# Altium PCB DT35_ACQ_F3_V1.2.PcbDoc (part 2 of 2)
Units mm, origin at the board's own origin, x right, y up, seen from the top; angles counter-clockwise.
Board outline 42.48 x 58.41 mm, 4 copper layers (Top Layer, Int1 (GND), Int2 (PWR), Bottom Layer), stack 1.369 mm thick; 122 components, 92 nets, 386 pads, 182 vias.
Unrouted connection lines stored in the file: 3.
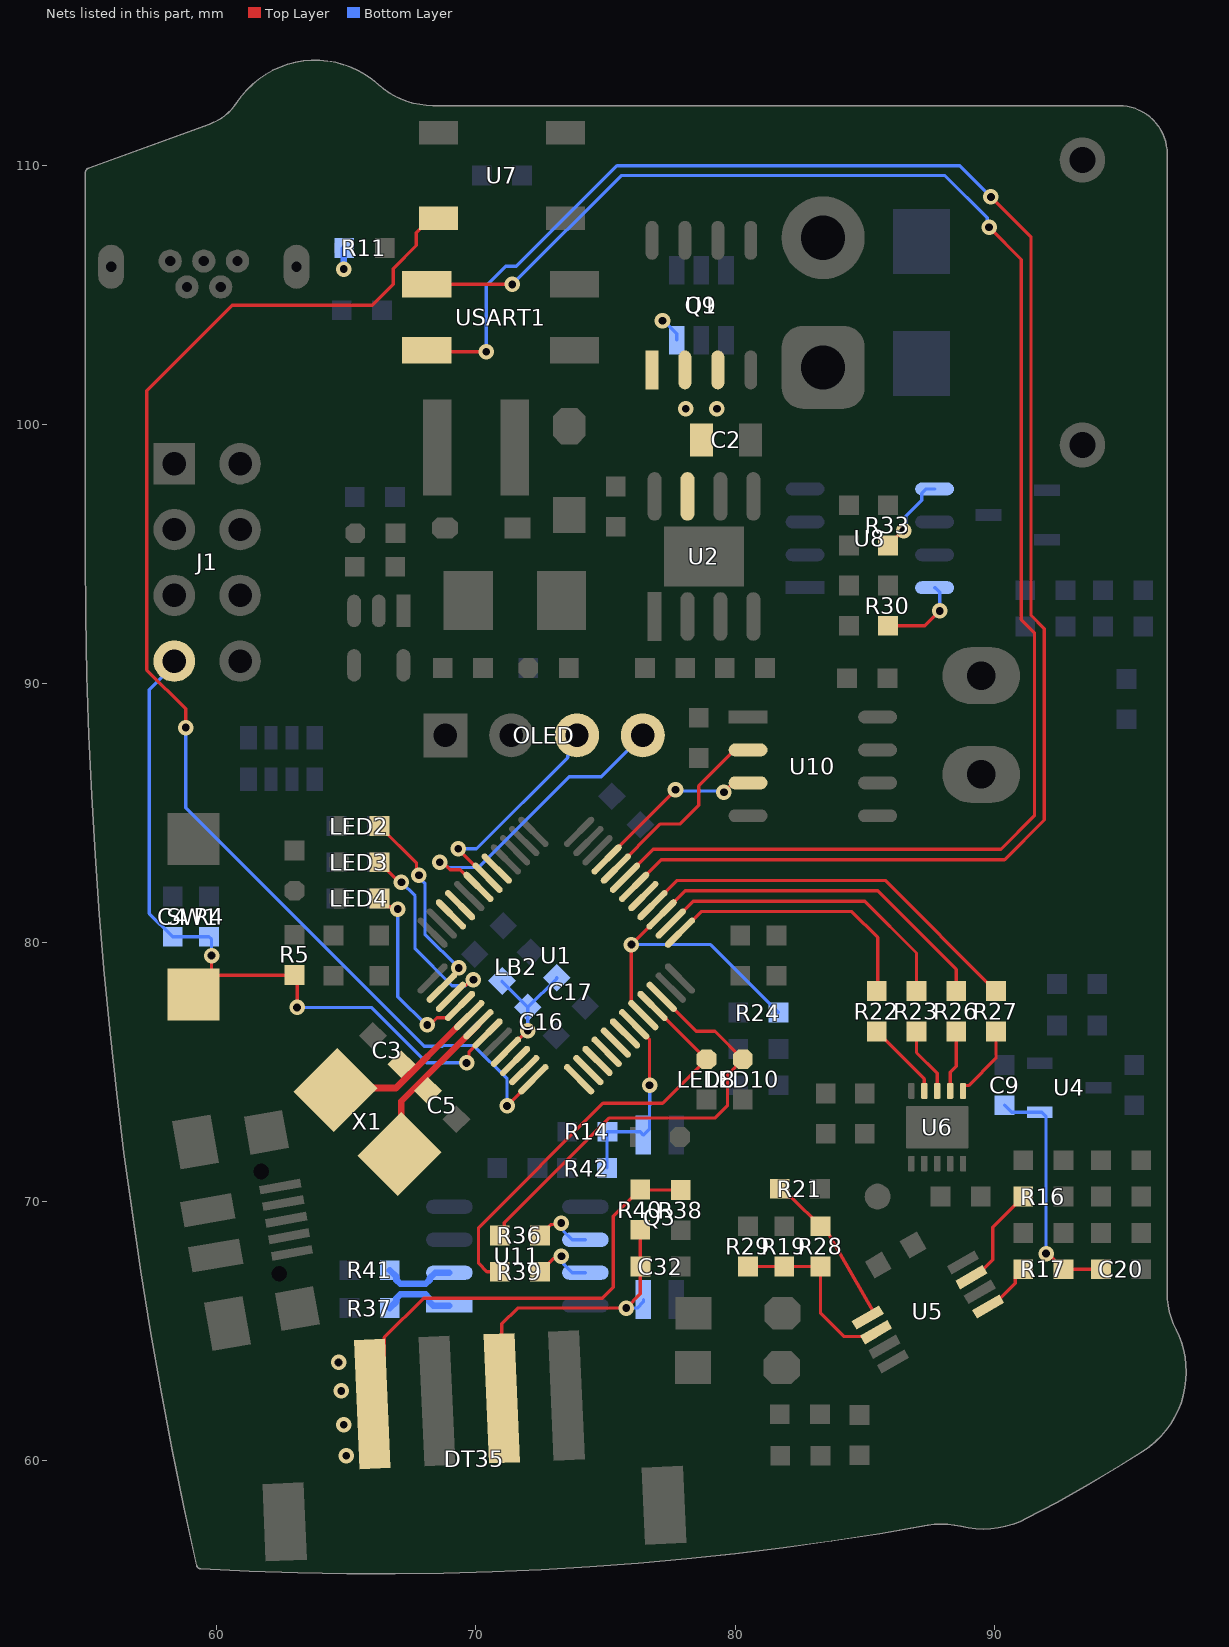
[diagram p4: the nets of this part, all layers, seen from the top]

## Via types
v1: diameter 0.6, hole 0.3, Top Layer to Bottom Layer, tented both sides, 182 vias

## Nets (pads, with @x,y where several pads share a name; then routed paths per layer and width w, separated by ;. In a path a pad name is that pad's centre, name@x,y a point inside that pad or via, vN(x,y) a via of type N, cw(c..) or ccw(c..) an arc to the next point about the centre after c; other vN are vias at no path point) (continued)
NetR16_1: R16.1 U5.7 | length 4
  Top Layer w0.127: U5.7@89.117,67.089 89.27,67.089 89.946,67.765 89.946,69.023 R16.1@91.123,70.2
NetR17_2: R17.2 U5.5 | length 2.1
  Top Layer w0.127: U5.5@89.767,65.963 89.92,65.963 90.805,66.849 90.805,67.083 R17.2@91.123,67.4
NetR19_1: R19.1 R28.2 R29.2 U5.2 | length 7.4
  Top Layer w0.127: R29.2@80.5,67.5 R19.1@81.9,67.5 R28.2@83.3,67.5 83.3,65.7 84.198,64.802 85.277,64.802 U5.2@85.443,64.968 85.404,64.809 cw(c85.3,64.883) U5.2@85.384,64.787
NetR21_2: R21.2 R28.1 U5.1 | length 6.4
  Top Layer w0.127: R21.2@81.723,70.5 82.04,70.183 82.172,70.183 R28.1@83.3,69.054 83.618,68.737 85.317,65.793 U5.1@85.118,65.531
NetR22_2: R22.2 U6.9 | length 3.1
  Top Layer w0.127: R22.2@85.467,76.575 87.3,74.742 U6.9@87.3,74.275
NetR23_2: R23.2 U6.8 | length 2.6
  Top Layer w0.127: R23.2@87,76.575 87,75.756 87.8,74.956 U6.8@87.8,74.275
NetR26_2: R26.2 U6.7 | length 2.4
  Top Layer w0.127: U6.7@88.3,74.275 88.3,75 88.533,75.233 R26.2@88.533,76.575
NetR27_2: R27.2 U6.6 | length 2.9
  Top Layer w0.127: U6.6@88.8,74.275 88.8,74.427 88.856,74.484 89.009,74.484 90.067,75.542 R27.2@90.067,76.575
NetR30_1: R30.1 U8.8 | length 3.2
  Top Layer w0.127: R30.1@85.9,92.223 87.323,92.223 v1(87.9,92.8)
  Bottom Layer w0.127: U8.8@87.7,93.695 87.728,93.695 87.9,93.523 v1(87.9,92.8)
NetR33_2: R33.2 U8.5 | length 3.1
  Top Layer w0.127: R33.2@85.9,95.323 86.477,95.9 v1(86.5,95.9)
  Bottom Layer w0.127: v1(86.5,95.9) 86.588,95.988 86.588,96.454 87.198,97.064 87.198,97.333 87.371,97.505 U8.5@87.7,97.505
NetR36_2: R36.2 U11.6 | length 2.3
  Top Layer w0.127: R36.2@72.477,68.7 72.901,69.124 73.236,69.124 v1(73.288,69.176)
  Bottom Layer w0.127: v1(73.288,69.176) 73.379,69.086 73.379,68.871 73.714,68.535 U11.6@74.225,68.535
NetR39_2: R39.2 U11.7 | length 2.4
  Top Layer w0.127: R39.2@72.477,67.3 72.986,67.809 73.209,67.809 v1(73.3,67.9)
  Bottom Layer w0.127: v1(73.3,67.9) 73.391,67.809 73.391,67.589 73.714,67.265 U11.7@74.225,67.265
NRST: C4.2 J1.7 R4.1 R5.1 SW1.1 U1.7 | length 28.8
  Top Layer w0.127: SW1.1@59.1,78 SW1.1@59.8,78.7 ; v1(59.8,79.5) SW1.1@59.8,78.7 ; v1(63.1,77.5) 63.1,78.646 R5.1@63,78.746 59.846,78.746 SW1.1@59.8,78.7 ; v1(69.641,75.359) 69.731,75.45 69.731,75.778 U1.7@70.449,76.495
  Bottom Layer w0.127: J1.7@58.36,90.86 58.36,90.722 57.4,89.762 57.4,81.123 C4.2@58.3,80.223 R4.1@59.7,80.223 59.8,80.123 v1(59.8,79.5) ; v1(63.1,77.5) 65.961,77.5 68.102,75.359 v1(69.641,75.359)
PA0: U1.10
PA1: U1.11
PA2-TIM2_CH3: U1.12 U7.4 | length 50.6
  Top Layer w0.127: v1(58.8,88.3) 58.8,89.019 57.3,90.519 57.3,101.3 60.6,104.6 66,104.6 66.804,105.404 66.804,106.004 67.7,106.9 67.7,107.4 68.25,107.95 U7.4@68.55,107.95 ; v1(71.2,73.7) 71.2,73.705 72.216,74.722 U1.12@72.216,74.727
  Bottom Layer w0.127: v1(58.8,88.3) 58.8,85.2 68,76 68.7,76 68.728,76.028 69.918,76.028 71.2,74.745 v1(71.2,73.7)
PA3: U1.13
PA4: U1.14
PA5: U1.15
PA6: U1.16
PA7: U1.17
PA8: U1.29
PA9-USART1_TX: U1.30 USART1.1 | length 68.6
  Top Layer w0.127: USART1.1@68.1,102.86 68.16,102.8 v1(70.4,102.8) ; U1.30@76.105,82.151 77.154,83.2 90.4,83.2 91.932,84.732 91.932,92.112 91.421,92.623 91.421,107.224 v1(89.873,108.773)
  Bottom Layer w0.127: v1(70.4,102.8) 70.4,105.345 71.155,106.1 71.561,106.1 75.442,109.981 88.664,109.981 v1(89.873,108.773)
PA10-USART1_RX: U1.31 USART1.3 | length 64.7
  Top Layer w0.127: USART1.3@68.1,105.4 v1(71.4,105.4) ; U1.31@75.751,82.505 76.846,83.6 90.261,83.6 91.551,84.89 91.551,91.955 91.04,92.465 91.04,106.36 v1(89.8,107.6)
  Bottom Layer w0.127: v1(71.4,105.4) 75.6,109.6 88.1,109.6 89.73,107.97 89.73,107.67 v1(89.8,107.6)
PA11-CAN_RX: U1.32 U10.2 | length 7.4
  Top Layer w0.127: U1.32@75.398,82.858 77.121,84.581 77.881,84.581 78.599,85.299 78.599,86.047 79.987,87.435 U10.2@80.5,87.435
PA12-CAN_TX: U1.33 U10.3 | length 6.8
  Top Layer w0.127: U1.33@75.044,83.212 75.044,83.228 77.7,85.884 v1(77.7,85.9) ; v1(79.568,85.8) 79.932,86.165 U10.3@80.5,86.165
  Bottom Layer w0.127: v1(77.7,85.9) 77.75,85.85 79.518,85.85 v1(79.568,85.8)
PB0: U1.18
PB1-Q1: Q3.3 R14.1 R42.1 U1.19 | length 7.5
  Top Layer w0.127: U1.19@76.105,76.849 76.7,76.253 v1(76.7,74.5)
  Bottom Layer w0.127: R42.1@75.054,71.3 75.054,72.677 R14.1@75.077,72.7 76.34,72.7 Q3.3@76.465,72.575 76.702,72.812 76.702,73.722 76.709,73.73 76.709,74.491 v1(76.7,74.5)
PB2-IRQ: R24.1 R26.1 U1.20 U1.27 | length 25.2
  Top Layer w0.127: U1.20@76.458,77.202 75.999,77.662 v1(75.999,79.924) U1.27@77.166,81.091 78.075,82 85.5,82 88.533,78.967 R26.1@88.533,78.129
  Bottom Layer w0.127: v1(75.999,79.924) 79.053,79.924 R24.1@81.677,77.3
PB5: U1.41
PB6-I2C1_SCL: OLED.3 U1.42 | length 8.3
  Top Layer w0.127: v1(69.317,83.622) 69.317,83.609 70.422,82.505 U1.42@70.449,82.505
  Bottom Layer w0.127: v1(69.317,83.622) 70.022,83.622 73.541,87.141 73.541,87.216 73.9,87.574 OLED.3@73.9,88
PB7-I2C1_SDA: OLED.4 U1.43 | length 11.9
  Top Layer w0.127: v1(68.6,83.1) 68.724,83.1 69.009,82.815 69.398,82.815 70.062,82.151 U1.43@70.095,82.151
  Bottom Layer w0.127: v1(68.6,83.1) 68.711,83.1 68.911,82.9 70.1,82.9 73.6,86.4 74.84,86.4 OLED.4@76.44,88
PB8: U1.45
PB9: U1.46
PB10-USART3_TX: LED8.2 R39.1 U1.21 | length 16.8
  Top Layer w0.127: R39.1@70.923,67.3 70.922,67.301 70.426,67.301 70.1,67.627 70.1,69 74.9,73.8 77.2,73.8 LED8.2@78.9,75.5 78.884,75.5 76.828,77.556 U1.21@76.812,77.556
PB11-USART3_RX: LED10.2 R36.1 U1.22 | length 17.2
  Top Layer w0.127: R36.1@70.923,68.7 71.097,68.874 71.097,69.197 75.132,73.232 79.217,73.232 79.71,73.724 79.71,74.91 LED10.2@80.3,75.5 79.225,76.575 78.5,76.575 U1.22@77.166,77.909
PB12-DIN: R22.1 U1.25 | length 10.5
  Top Layer w0.127: U1.25@77.873,80.384 78.689,81.2 84.5,81.2 85.5,80.2 85.5,78.162 R22.1@85.467,78.129
PB13-SPI2_SCK: R23.1 U1.26 | length 12.1
  Top Layer w0.127: U1.26@77.519,80.737 78.382,81.6 85,81.6 87,79.6 R23.1@87,78.129
PB15-TIM15_CH2: R27.1 U1.28 | length 15.4
  Top Layer w0.127: U1.28@76.812,81.444 77.768,82.4 85.796,82.4 R27.1@90.067,78.129
PC13-LED1: LED2.1 U1.2 | length 7.8
  Top Layer w0.127: LED2.1@66.277,84.5 67.71,83.067 67.71,82.691 v1(67.8,82.6) ; U1.2@68.681,78.263 68.681,78.296 69.336,78.952 v1(69.336,79.022)
  Bottom Layer w0.127: v1(67.8,82.6) 67.8,82.523 68.034,82.289 68.034,80.325 v1(69.336,79.022)
PC14-LED2: LED3.1 U1.3 | length 8
  Top Layer w0.127: LED3.1@66.277,83.1 67.047,82.33 v1(67.125,82.33) ; U1.3@69.034,77.909 69.479,78.354 69.613,78.354 69.824,78.565 v1(69.901,78.565)
  Bottom Layer w0.127: v1(67.125,82.33) 67.653,81.802 67.653,79.761 69.077,78.337 69.596,78.337 69.824,78.565 v1(69.901,78.565)
PC15-LED3: LED4.1 U1.4 | length 7.4
  Top Layer w0.127: LED4.1@66.277,81.7 66.595,81.382 66.897,81.382 v1(66.984,81.295) ; v1(68.123,76.823) 68.224,76.823 68.498,77.096 68.928,77.096 U1.4@69.388,77.556
  Bottom Layer w0.127: v1(66.984,81.295) 66.984,77.916 68.077,76.823 v1(68.123,76.823)
PF0-OSC_IN: C3.2 U1.5 X1.2 | length 5.9
  Top Layer w0.254: X1.2@64.576,74.318 64.647,74.389 66.917,74.389 U1.5@69.414,76.886
PF1-OSC_OUT: C5.2 U1.6 X1.1 | length 6.3
  Top Layer w0.254: X1.1@67.051,71.843 67.122,71.914 67.122,73.876 U1.6@70.095,76.849
Q1: C32.2 DT35.2 Q3.2 R40.2 | length 12
  Top Layer w0.127: DT35.2@70.995,62.418 70.995,65.29 71.605,65.9 v1(75.8,65.9) 76.346,66.446 C32.2@76.346,67.5 76.34,67.506 R40.2@76.34,68.923
  Bottom Layer w0.127: v1(75.8,65.9) 76.229,65.9 76.465,66.136 Q3.2@76.465,66.225
UD_N: R41.2 U11.2 | length 2.8
  Bottom Layer w0.254: R41.2@66.677,67.36 66.931,67.106 66.931,66.982 67.08,66.833 67.526,66.833 68.064,66.833 68.213,66.982 68.213,67.048 68.43,67.265 U11.2@68.975,67.265
UD_P: R37.2 U11.1 | length 2.8
  Bottom Layer w0.254: R37.2@66.677,65.9 66.931,66.154 66.931,66.278 67.08,66.427 67.694,66.427 68.053,66.427 68.202,66.278 68.202,66.143 68.35,65.995 U11.1@68.975,65.995
VDDA: C16.2 C17.2 LB2.2 U1.9 | length 5.1
  Top Layer w0.127: U1.9@71.156,75.788 71.172,75.788 71.984,76.6 v1(72,76.6)
  Bottom Layer w0.127: LB2.2@71.01,78.522 71.01,78.49 C16.2@72,77.5 ; v1(72,76.6) C16.2@72,77.5 ; C17.2@73.115,78.648 73.115,78.615 C16.2@72,77.5
VIN: C2.2 DT35.4 Q1.1 Q1.2 Q1.3 R11.1 R38.2 R40.1 U2.7 U9.6 | length 20
  Top Layer w0.127: DT35.4@66,62.2 66.464,62.664 66.464,64.764 67.981,66.281 74.881,66.281 75.3,66.7 75.3,69.437 R40.1@76.34,70.477 76.363,70.454 R38.2@77.906,70.454
  Bottom Layer w0.127: v1(77.2,104) 77.25,104 77.75,103.5 U9.6@77.75,103.25
  Bottom Layer w0.254: v1(64.9,105.992) 64.9,106.777 R11.1@64.923,106.8
  other v1: 65,60.2 64.9,61.4 64.8,62.7 64.7,63.8 78.1,100.6 79.3,100.6
Vref: C9.1 C20.2 R17.1 U4.1 | length 9.4
  Top Layer w0.127: v1(92,68) 92.077,68 R17.1@92.677,67.4 C20.2@94.123,67.4
  Bottom Layer w0.127: C9.1@90.4,73.723 90.673,73.45 91.838,73.45 92,73.288 v1(92,68)
pads on no net: CON1.3 CON1.4 DT35.0 U2.2 U2.3 U2.5 U7.2 U9.4 U11.4 USB1.4 USB2.0 USB2.1 USB2.4

## Polygon pours and split planes (outlines as drawn)
AGND on Bottom Layer "AGND_L04_P021" (solid, remove dead copper, pour order 21): 90,74.8 92.8,74.8 92.8,77.2 92,77.2 92,76.2 91.4,75.6 90,75.6
GND on Bottom Layer "GND_L04_P017" (solid, remove dead copper, pour order 17): 81.8,101.2 87.2,101.2 87.2,103.6 81.8,103.6
GND on Bottom Layer "GND_L04_P015" (solid, remove dead copper, pour order 15): 66,104.8 66,102.2 66.9,102.2 66.9,104.8
DGND on Bottom Layer "DGND_L04_P014" (solid, remove dead copper, pour order 14): 65.2,104.8 65.2,102.8 62.2,102.8 62.2,104.8
3V3 on Bottom Layer "3V3_L04_P013" (solid, remove dead copper, pour order 13): 91.3,77.9 92.8,77.9 92.8,79.4 91.3,79.4
AGND on Bottom Layer "AGND_L04_P012" (solid, remove dead copper, pour order 12): 93.9,89 93.9,87.5 96.6,87.5 96.6,89
GND on Bottom Layer "GND_L04_P011" (solid, remove dead copper, pour order 11): 94.2,89.7 96.5,89.7 96.5,91.3 94.2,91.3
A3V3 on Bottom Layer "A3V3_L04_P010" (solid, remove dead copper, pour order 10): 93.5,74 94.7,74 94.9,74.2 94.9,74.7 96,74.7 96,78.7 93.5,78.7
NetCON1_1 on Bottom Layer "NETCON1_1_L04_P001" (solid, remove dead copper, pour order 1): 83,105.6 87.1,105.6 87.1,108.9 87,108.9 83,108.9
GND on Top Layer "GND_L01_P019" (solid, remove dead copper, pour order 19): 69.9,90.1 72.5,90.1 72.5,90.7 73.5,91.7 74.5,91.7 76.5,93.7 79.9,93.7 80.3,94.1 80.3,97.9 80.7,98.3 83.4,98.3 83.7,98.6 83.7,101.9 81.6,101.9 80,100.3 80,99.3 78.8,98.1 78.8,96.4 78.1,95.7 74.7,95.7 74.3,96.1 74.3,97.1 71.2,97.1 71,96.9 71,91.5 70.7,91.2 69.9,91.2
DGND on Top Layer "DGND_L01_P023" (solid, remove dead copper, pour order 23): 62.5,73.8 58.2,73.2 59.8,64.1 64,65.1
DGND on Top Layer "DGND_L01_P022" (solid, remove dead copper, pour order 22): 68.1,64.8 67,64.7 67.4,59.7 68.6,59.8
GND on Top Layer "GND_L01_P020" (solid, remove dead copper, pour order 20): 65.9,92.2 66.6,92.2 66.6,93.8 65.8,94.6 65.8,96.2 65.7,96.3 64.8,96.3 64.8,94.1 65.9,93 65.9,92.8
GND on Top Layer "GND_L01_P018" (solid, remove dead copper, pour order 18): 71.8,104.8 71.8,106.6 74.7,106.6 74.7,104.8
GND on Top Layer "GND_L01_P016" (solid, remove dead copper, pour order 16): 67.8,111.7 67.8,110 70.3,110 70.3,111.7
3V3 on Top Layer "3V3_L01_P009" (solid, remove dead copper, pour order 9): 64.6,91.4 64.6,89.2 64.7,89.1 70,89.1 70.3,88.8 70.3,87.1 72.4,87.1 72.4,89.5 70.1,89.5 69.3,90.3 69.3,91.4
5V on Top Layer "5V_L01_P008" (solid, remove dead copper, pour order 8): 71.7,107.5 74,107.5 74,108.4 71.7,108.4
5V on Top Layer "5V_L01_P006" (solid, remove dead copper, pour order 6): 72.8,102.3 72.8,104.2 74.8,104.2 74.8,102.3
5V on Top Layer "5V_L01_P005" (solid, remove dead copper, pour order 5): 67,92.2 69.4,92.2 69.4,96.2 69.1,96.5 69.1,98.2 67.7,98.2 67.7,95.1 67.4,94.8 67,94.8
NetC1_1 on Top Layer "NETC1_1_L01_P004" (solid, remove dead copper, pour order 4): 71,99.4 74.2,99.4 75,98.6 75,97.3 77.2,97.3 77.2,98.8 75,101 71,101
VIN on Top Layer "VIN_L01_P003" (solid, remove dead copper, pour order 3): 65.3,64.7 64.2,64.6 64.6,59.6 65.8,59.7
VIN on Top Layer "VIN_L01_P002" (solid, remove dead copper, pour order 2): 77.8,96.3 78.6,96.3 78.8,96.5 78.8,98.1 79.8,99.1 79.8,102.9 79.5,103.2 76.3,103.2 76.3,100.4 77.4,100.4 77.8,100
NetCON1_1 on Top Layer "NETCON1_1_L01_P000" (solid, remove dead copper, pour order 0): 76.4,106.1 76.9,105.6 85.1,105.6 85.1,108.9 76.4,108.9
VIN on Int2 (PWR) (split plane): 153 vertices, not listed, extent 55.44,56.148 96.165,111.809
3V3 on Int2 (PWR) (split plane): 63.998,98.5 63.998,92.8 64.006,92.761 64.028,92.728 65.228,91.528 65.261,91.506 65.3,91.498 74.258,91.498 75.428,90.328 76.128,89.628 76.161,89.606 76.2,89.598 81.3,89.598 81.3,84.2 84.8,84.2 84.8,89.8 83.702,89.8 83.702,98.048 96.165,98.048 96.165,77.502 85.1,77.502 85.061,77.494 85.028,77.472 82.628,75.072 77.228,69.672 77.206,69.639 77.198,69.6 77.198,56.644 76.917,56.616 74.588,56.431 72.255,56.291 69.92,56.198 67.583,56.15 67.102,56.149 67.102,64.1 67.094,64.139 67.072,64.172 66.472,64.772 66.439,64.794 66.4,64.802 63.07,64.802 63.063,64.801 62.837,64.809 62.606,64.837 62.378,64.882 62.154,64.945 61.935,65.026 61.724,65.124 61.52,65.237 61.327,65.367 61.144,65.511 60.978,65.664 60.974,65.67 59.67,66.974 59.664,66.978 59.511,67.144 59.367,67.327 59.237,67.52 59.124,67.724 59.026,67.935 58.945,68.154 58.882,68.378 58.837,68.606 58.809,68.837 58.801,69.063 58.802,69.07 58.802,71.5 58.802,86.8 58.794,86.839 58.772,86.872 58.072,87.572 57.102,88.542 57.102,100.358 58.242,101.498 63.998,101.498
A3V3 on Int2 (PWR) (split plane): 96.165,66.489 96.166,66.482 96.165,66.474 96.17,66.29 96.173,66.268 96.174,66.245 96.217,65.88 96.223,65.851 96.227,65.821 96.313,65.464 96.323,65.436 96.331,65.407 96.379,65.276 96.371,65.287 96.344,65.324 96.033,65.685 96,65.716 95.968,65.748 95.597,66.047 95.559,66.072 95.522,66.098 95.104,66.327 95.063,66.344 95.021,66.363 94.57,66.514 94.525,66.524 94.481,66.535 94.01,66.604 93.965,66.606 93.92,66.609 93.444,66.593 93.399,66.587 93.353,66.582 92.888,66.482 92.845,66.469 92.801,66.455 92.361,66.275 92.321,66.253 92.28,66.233 92.081,66.106 91.572,65.785 90.544,65.162 89.502,64.562 88.446,63.986 87.913,63.707 87.908,63.705 87.883,63.688 87.877,63.685 87.87,63.682 87.868,63.681 87.865,63.679 87.864,63.678 87.853,63.672 87.84,63.663 87.829,63.653 87.824,63.65 87.817,63.643 87.815,63.642 87.814,63.641 87.805,63.636 87.801,63.632 87.789,63.623 87.778,63.613 87.771,63.606 87.608,63.498 87.571,63.467 87.533,63.437 87.171,63.081 87.14,63.044 87.109,63.007 86.821,62.59 86.797,62.548 86.773,62.506 86.569,62.042 86.554,61.996 86.539,61.95 86.425,61.456 86.419,61.408 86.413,61.36 86.395,60.853 86.398,60.805 86.4,60.757 86.478,60.256 86.49,60.209 86.502,60.162 86.673,59.685 86.694,59.641 86.714,59.597 86.972,59.161 87,59.122 87.029,59.082 87.364,58.702 87.4,58.669 87.435,58.636 87.836,58.326 87.877,58.3 87.918,58.275 88.361,58.051 88.306,58.058 88.279,58.059 88.253,58.063 87.928,58.073 87.902,58.071 87.875,58.071 87.551,58.048 87.532,58.044 87.512,58.043 87.35,58.019 87.344,58.017 87.337,58.017 86.187,57.811 83.879,57.444 81.564,57.122 79.243,56.846 77.402,56.664 77.402,69.558 82.772,74.928 85.142,77.298 96.165,77.298
5V on Int2 (PWR) (split plane): 74.298,108.858 74.298,105.4 74.306,105.361 74.328,105.328 75.598,104.058 75.598,102.3 75.598,101.117 67.7,101.2 67.7,95.2 77.2,95.2 77.2,98.048 83.498,98.048 83.498,89.802 76.242,89.802 75.572,90.472 74.372,91.672 74.339,91.694 74.3,91.702 65.342,91.702 64.202,92.842 64.202,98.5 64.202,101.558 65.572,102.928 65.594,102.961 65.602,103 65.602,106.058 68.542,108.998 74.158,108.998
NetCON1_1 on Int2 (PWR) (split plane): 94.803,111.79 94.937,111.79 95.2,111.738 95.448,111.635 95.671,111.486 95.861,111.297 96.01,111.074 96.112,110.826 96.165,110.563 96.165,110.428 96.165,104.702 77.142,104.702 75.702,106.142 75.702,111.79
DGND on Int1 (GND) (split plane): 59.898,109.4 59.906,109.361 59.928,109.328 62.228,107.028 62.261,107.006 62.3,106.998 63.758,106.998 63.928,106.828 65.498,105.258 65.498,100.242 64.328,99.072 64.306,99.039 64.298,99 64.298,90.7 64.306,90.661 64.328,90.628 65.628,89.328 65.661,89.306 65.7,89.298 81.3,89.298 81.3,84.2 84.8,84.2 84.8,89.8 82.002,89.8 82.002,97.558 82.742,98.298 92.358,98.298 93.798,96.858 93.798,90.342 92.928,89.472 91.028,87.572 91.006,87.539 90.998,87.5 90.998,80.742 89.758,79.502 84.2,79.502 84.161,79.494 84.128,79.472 79.528,74.872 79.506,74.839 79.498,74.8 79.498,56.877 79.243,56.846 76.917,56.616 74.588,56.431 72.255,56.291 69.92,56.198 67.583,56.15 65.246,56.148 62.909,56.191 60.574,56.28 59.661,56.333 59.361,57.677 58.71,60.875 58.117,64.084 57.583,67.303 57.107,70.531 56.691,73.768 56.334,77.011 56.036,80.261 55.798,83.515 55.619,86.773 55.5,90.034 55.44,93.297 55.44,94.928 55.44,109.482 59.897,111.104 59.898,111.104
AGND on Int1 (GND) (split plane): 96.165,66.489 96.166,66.482 96.165,66.474 96.17,66.29 96.173,66.268 96.174,66.245 96.217,65.88 96.223,65.851 96.227,65.821 96.313,65.464 96.323,65.436 96.331,65.407 96.379,65.276 96.371,65.287 96.344,65.324 96.033,65.685 96,65.716 95.968,65.748 95.597,66.047 95.559,66.072 95.522,66.098 95.104,66.327 95.063,66.344 95.021,66.363 94.57,66.514 94.525,66.524 94.481,66.535 94.01,66.604 93.965,66.606 93.92,66.609 93.444,66.593 93.399,66.587 93.353,66.582 92.888,66.482 92.845,66.469 92.801,66.455 92.361,66.275 92.321,66.253 92.28,66.233 92.081,66.106 91.572,65.785 90.544,65.162 89.502,64.562 88.446,63.986 87.913,63.707 87.908,63.705 87.883,63.688 87.877,63.685 87.87,63.682 87.868,63.681 87.865,63.679 87.864,63.678 87.853,63.672 87.84,63.663 87.829,63.653 87.824,63.65 87.817,63.643 87.815,63.642 87.814,63.641 87.805,63.636 87.801,63.632 87.789,63.623 87.778,63.613 87.771,63.606 87.608,63.498 87.571,63.467 87.533,63.437 87.171,63.081 87.14,63.044 87.109,63.007 86.821,62.59 86.797,62.548 86.773,62.506 86.569,62.042 86.554,61.996 86.539,61.95 86.425,61.456 86.419,61.408 86.413,61.36 86.395,60.853 86.398,60.805 86.4,60.757 86.478,60.256 86.49,60.209 86.502,60.162 86.673,59.685 86.694,59.641 86.714,59.597 86.972,59.161 87,59.122 87.029,59.082 87.364,58.702 87.4,58.669 87.435,58.636 87.836,58.326 87.877,58.3 87.918,58.275 88.361,58.051 88.306,58.058 88.279,58.059 88.253,58.063 87.928,58.073 87.902,58.071 87.875,58.071 87.551,58.048 87.532,58.044 87.512,58.043 87.35,58.019 87.344,58.017 87.337,58.017 86.187,57.811 83.879,57.444 81.564,57.122 79.702,56.901 79.702,74.758 84.242,79.298 89.8,79.298 89.839,79.306 89.872,79.328 91.172,80.628 91.194,80.661 91.202,80.7 91.202,87.458 93.042,89.298 96.165,89.298
GND on Int1 (GND) (split plane): 68.146,111.796 68.163,111.796 68.181,111.794 68.325,111.79 68.331,111.791 68.337,111.79 94.803,111.79 94.937,111.79 95.2,111.738 95.448,111.635 95.671,111.486 95.861,111.297 96.01,111.074 96.112,110.826 96.165,110.563 96.165,110.428 96.165,89.502 93.246,89.502 93.972,90.228 93.994,90.261 94.002,90.3 94.002,96.9 93.994,96.939 93.972,96.972 92.472,98.472 92.439,98.494 92.4,98.502 82.7,98.502 82.661,98.494 82.628,98.472 81.828,97.672 81.806,97.639 81.798,97.6 81.798,89.8 81.3,89.8 81.3,89.502 65.742,89.502 64.502,90.742 64.502,98.958 65.672,100.128 65.694,100.161 65.702,100.2 65.702,105.3 65.694,105.339 65.672,105.372 64.072,106.972 63.872,107.172 63.839,107.194 63.8,107.202 62.342,107.202 60.102,109.442 60.102,111.19 60.129,111.202 60.427,111.368 60.46,111.392 60.494,111.414 60.762,111.625 60.791,111.654 60.821,111.681 60.93,111.8 61.266,111.8 61.236,111.743 61.057,111.313 61.049,111.284 61.028,111.217 60.938,110.761 60.929,110.671 60.928,110.661 60.928,110.428 60.928,110.195 60.929,110.185 60.938,110.096 61.028,109.639 61.049,109.572 61.057,109.543 61.236,109.113 61.283,109.025 61.542,108.637 61.57,108.602 61.605,108.56 61.934,108.231 61.948,108.219 62.012,108.167 62.399,107.908 62.487,107.861 62.918,107.683 62.94,107.676 63.013,107.654 63.47,107.563 63.56,107.554 63.57,107.553 64.035,107.553 64.045,107.554 64.135,107.563 64.592,107.654 64.659,107.674 64.688,107.683 65.118,107.861 65.206,107.908 65.593,108.167 65.628,108.196 65.671,108.231 66,108.56 66.011,108.574 66.064,108.637 66.322,109.025 66.37,109.113 66.548,109.543 66.577,109.639 66.668,110.096 66.677,110.195 66.677,110.428 66.677,110.661 66.668,110.761 66.577,111.217 66.548,111.313 66.37,111.743 66.339,111.8 68,111.8 68,111.809

## Keep-outs
Keep-Out Layer:
  lines w0.254: 54.803,94.928 ccw(c234.01,94.928) 59.094,55.945 ; 54.803,94.928 ccw(c234.01,94.928) 59.094,55.945 ; 54.803,94.928 54.803,109.718 ; 54.803,94.928 54.803,109.718 ; 54.803,109.718 cw(c55.103,109.718) 55,110 ; 54.803,109.718 cw(c55.103,109.718) 55,110 ; 55,110 59.679,111.703 ; 55,110 59.679,111.703 ; 59.094,55.945 ccw(c59.387,56.011) 59.369,55.711 ; 59.094,55.945 ccw(c59.387,56.011) 59.369,55.711 ; 59.369,55.711 ccw(c66.303,175.511) 87.449,57.389 ; 59.369,55.711 ccw(c66.303,175.511) 87.449,57.389 ; 59.679,111.703 ccw(c58.995,113.582) 60.667,112.485 ; 59.679,111.703 ccw(c58.995,113.582) 60.667,112.485 ; 60.667,112.485 cw(c63.803,110.428) 66.322,113.206 ; 60.667,112.485 cw(c63.803,110.428) 66.322,113.206 ; 61.566,110.428 cw(c63.803,110.428) 66.04,110.428 ; 61.566,110.428 ccw(c63.803,110.428) 66.04,110.428 ; 61.566,110.428 ccw(c63.803,110.428) 66.04,110.428 ; 61.566,110.428 cw(c63.803,110.428) 66.04,110.428 ; 66.322,113.206 ccw(c68.337,115.428) 68.337,112.428 ; 66.322,113.206 ccw(c68.337,115.428) 68.337,112.428 ; 68.337,112.428 94.803,112.428 ; 68.337,112.428 94.803,112.428 ; 87.449,57.389 cw(c87.978,54.436) 88.689,57.35 ; 87.449,57.389 cw(c87.978,54.436) 88.689,57.35 ; 88.689,57.35 ccw(c89.577,60.994) 91.31,57.669 ; 88.689,57.35 ccw(c89.577,60.994) 91.31,57.669 ; 91.31,57.669 ccw(c63.803,110.428) 95.804,60.267 ; 91.31,57.669 ccw(c63.803,110.428) 95.804,60.267 ; 92.422,65.567 cw(c63.803,110.428) 88.207,63.142 ccw(c63.803,110.428) 92.422,65.567 ; 92.422,65.567 cw(c93.787,63.428) 95.151,61.289 ; 92.422,65.567 cw(c93.787,63.428) 95.151,61.289 ; 94.803,112.428 cw(c94.803,110.428) 96.803,110.428 ; 94.803,112.428 cw(c94.803,110.428) 96.803,110.428 ; 95.151,61.289 cw(c63.803,110.428) 90.749,58.744 ccw(c63.803,110.428) 95.151,61.289 ; 95.804,60.267 ccw(c93.787,63.428) 97.129,65.129 ; 95.804,60.267 ccw(c93.787,63.428) 97.129,65.129 ; 96.803,66.49 ccw(c99.803,66.49) 97.129,65.129 ; 96.803,66.49 ccw(c99.803,66.49) 97.129,65.129 ; 96.803,66.49 96.803,110.428 ; 96.803,66.49 96.803,110.428 ; 88.212,63.133 ccw(c89.577,60.994) 90.941,58.855 cw(c89.577,60.994) 88.212,63.133

## Other copper
Int1 (GND) (plane layer: these items are gaps in the copper):
  rectangle: 59.9,111.8 68,114.2
  rectangle: 81.3,84.2 84.8,89.8
  lines w0.2: 60,112.4 60,109.4 62.3,107.1 63.8,107.1 64,106.9 65.6,105.3 65.6,100.2 64.4,99 64.4,90.7 65.7,89.4 81.9,89.4 81.9,97.6 82.7,98.4 92.4,98.4 93.9,96.9 93.9,90.3 93,89.4 ; 79.6,55.9 79.6,74.8 84.2,79.4 89.8,79.4 91.1,80.7 91.1,87.5 93,89.4 ; 97.2,89.4 93,89.4
Int2 (PWR) (plane layer: these items are gaps in the copper):
  rectangle: 86.1,71 89.5,74.8
  rectangle: 81.3,84.2 84.8,89.8
  rectangle: 59.9,111.1 68,114.2
  region: 67.7,101.2 67.7,95.2 77.2,95.2 77.2,101.1
  lines w0.2: 67,55.1 67,64.1 66.4,64.7 63.07,64.7 cw(c63.07,67.766) 60.902,65.598 59.598,66.902 cw(c61.766,69.07) 58.7,69.07 58.7,71.5 58.7,86.8 58,87.5 57,88.5 57,100.4 58.2,101.6 64.1,101.6 ; 75.6,112.3 75.6,106.1 77.1,104.6 96.7,104.6 96.7,112.3 96.5,112.5 75.6,112.5 ; 75.7,101.1 75.7,102.3 75.7,104.1 74.4,105.4 74.4,108.9 74.2,109.1 68.5,109.1 65.5,106.1 65.5,103 64.1,101.6 ; 77.2,98.15 97.15,98.15 ; 77.3,55.5 77.3,69.6 82.7,75 85.1,77.4 97.2,77.4 ; 83.6,98.1 83.6,89.7 76.2,89.7 75.5,90.4 74.3,91.6 65.3,91.6 64.1,92.8 64.1,98.5 64.1,101.6

## Silkscreen, mask and mechanical layers (free items; w line width, h text height)
Top Overlay:
  region: 75.85,102.65 75.85,101.65 76.35,102.15
  lines w0.1: 67.3,107.6 67.3,108.4 67.7,108 67.3,107.6 ; 67.6,78.8 68.1,79.3 68.1,78.8 67.6,78.8 ; 80.2,89.4 80.8,89.4 80.5,89.1 80.2,89.4 ; 86.05,70.65 86.75,70.65 86.4,71 86.05,70.65
  lines w0.2: 62.265,61.779 62.17,63.952 63.03,64.89 76.217,65.466 77.156,64.606 77.251,62.433 ; 69.6,107.6 72.3,107.6 72.3,111.6 70.6,111.6 69.6,110.6 69.6,107.6
  text "RGB" at 74.4,110.417 h2.5
  text "PA2" at 74.4,109.2 h1.75
  text "SWD" at 57,108.417 h2.5
  text "VIN" at 64.6,105 h1.75
  text "PA10" at 65,103.613 h1.75
  text "GND" at 73.7,103.613 h1.75
  text "5V" at 73.8,101.313 h1.75
  text "PA9" at 65.8,101.3 h1.75
  text "5V" at 65.4,96.715 h2
  text "3V3" at 75.587,89.6 h1.75 r90
  text "PC13" at 64.4,87.613 h1.75
  text "PC14" at 64.4,86.512 h1.75
  text "GND" at 67.6,85.513 h1.75
  text "3V3" at 70.334,85.513 h1.75
  text "SCL" at 72.946,85.513 h1.75
  text "SDA" at 75.6,85.513 h1.75
  text "PC15" at 64.4,85.413 h1.75
  text "H" at 86.9,82.2 h2 r90
  text "L" at 86.9,80.1 h2 r90
  text "CAN" at 85.483,79.8 h2.5 r90
  text "4-20mA" at 91.201,77.616 h1.75
  text "TX" at 78.1,76.6 h1.75
  text "RX" at 79.7,76.6 h1.75
  text "V1" at 92.1,76.1 h1.75
  text "." at 93.501,76.1 h2
  text "2" at 93.9,76.1 h1.75
  text "ACQ Board" at 89.5,74.66 h1.75
  text "USB To" at 56.697,74.515 h2.25 r10
  text "2022/5/21" at 89.9,73.159 h1.75
  text "USART3" at 56.998,73.114 h2 r10
  text "8MHz" at 67.79,69.11 h2 r45
  text "Q2" at 71.862,64.311 h1.75 r272.5
  text "Q1" at 69.262,64.211 h1.75 r272.5
  text "L+" at 64.177,63.839 h1.75 r272.5
  text "M" at 66.7,63.799 h1.75 r272.5
  text "DT / 35" at 74.7,62.7 h2 r2.5
Bottom Overlay:
  drawing of 6999 lines, arcs and shapes, not listed
Mechanical 1:
  lines w0.254: 54.803,94.928 ccw(c234.01,94.928) 59.094,55.945 ; 54.803,94.928 ccw(c234.01,94.928) 59.094,55.945 ; 54.803,94.928 54.803,109.718 ; 54.803,94.928 54.803,109.718 ; 54.803,109.718 cw(c55.103,109.718) 55,110 ; 54.803,109.718 cw(c55.103,109.718) 55,110 ; 55,110 59.679,111.703 ; 55,110 59.679,111.703 ; 59.094,55.945 ccw(c59.387,56.011) 59.369,55.711 ; 59.094,55.945 ccw(c59.387,56.011) 59.369,55.711 ; 59.369,55.711 ccw(c66.303,175.511) 87.449,57.389 ; 59.369,55.711 ccw(c66.303,175.511) 87.449,57.389 ; 59.679,111.703 ccw(c58.995,113.582) 60.667,112.485 ; 59.679,111.703 ccw(c58.995,113.582) 60.667,112.485 ; 60.667,112.485 cw(c63.803,110.428) 66.322,113.206 ; 60.667,112.485 cw(c63.803,110.428) 66.322,113.206 ; 61.566,110.428 cw(c63.803,110.428) 66.04,110.428 ; 61.566,110.428 ccw(c63.803,110.428) 66.04,110.428 ; 61.566,110.428 ccw(c63.803,110.428) 66.04,110.428 ; 61.566,110.428 cw(c63.803,110.428) 66.04,110.428 ; 66.322,113.206 ccw(c68.337,115.428) 68.337,112.428 ; 66.322,113.206 ccw(c68.337,115.428) 68.337,112.428 ; 68.337,112.428 94.803,112.428 ; 68.337,112.428 94.803,112.428 ; 87.449,57.389 cw(c87.978,54.436) 88.689,57.35 ; 87.449,57.389 cw(c87.978,54.436) 88.689,57.35 ; 88.689,57.35 ccw(c89.577,60.994) 91.31,57.669 ; 88.689,57.35 ccw(c89.577,60.994) 91.31,57.669 ; 91.31,57.669 ccw(c63.803,110.428) 95.804,60.267 ; 91.31,57.669 ccw(c63.803,110.428) 95.804,60.267 ; 92.422,65.567 cw(c63.803,110.428) 88.207,63.142 ccw(c63.803,110.428) 92.422,65.567 ; 92.422,65.567 cw(c93.787,63.428) 95.151,61.289 ; 92.422,65.567 cw(c93.787,63.428) 95.151,61.289 ; 94.803,112.428 cw(c94.803,110.428) 96.803,110.428 ; 94.803,112.428 cw(c94.803,110.428) 96.803,110.428 ; 95.151,61.289 cw(c63.803,110.428) 90.749,58.744 ccw(c63.803,110.428) 95.151,61.289 ; 95.804,60.267 ccw(c93.787,63.428) 97.129,65.129 ; 95.804,60.267 ccw(c93.787,63.428) 97.129,65.129 ; 96.803,66.49 ccw(c99.803,66.49) 97.129,65.129 ; 96.803,66.49 ccw(c99.803,66.49) 97.129,65.129 ; 96.803,66.49 96.803,110.428 ; 96.803,66.49 96.803,110.428 ; 88.212,63.133 ccw(c89.577,60.994) 90.941,58.855 cw(c89.577,60.994) 88.212,63.133
Drill Drawing:
  circle w0.254: c18.656,156.712 r0.847
  lines w0.254: 17.809,129.618 18.233,129.618 18.233,129.195 19.079,129.195 19.079,129.618 19.503,129.618 19.503,130.465 19.079,130.465 19.079,130.888 18.233,130.888 18.233,130.465 17.809,130.465 17.809,129.618 ; 17.809,134.698 19.503,134.698 18.656,133.005 17.809,134.698 ; 17.809,136.815 19.503,136.815 19.503,138.508 17.809,138.508 17.809,136.815 ; 17.809,141.048 18.233,141.048 18.656,140.625 19.079,141.048 19.503,141.048 19.079,141.472 19.503,141.895 19.079,141.895 18.656,142.318 18.233,141.895 17.809,141.895 18.233,141.472 17.809,141.048 ; 17.809,144.435 19.503,144.435 19.503,146.128 17.809,146.128 17.809,144.435 ; 17.809,148.245 18.656,148.668 19.503,148.245 19.079,149.092 19.503,149.938 18.656,149.515 17.809,149.938 18.233,149.092 17.809,148.245 ; 17.809,152.902 18.656,152.055 19.503,152.902 18.656,153.748 17.809,152.902 ; 18.148,144.774 19.164,144.774 19.164,145.79 18.148,145.79 18.148,144.774
  lines w0.381: 16.291,128.052 359.906,128.052 ; 16.291,158.532 359.906,158.532 ; 30.283,124.242 30.283,162.342 ; 45.519,124.242 45.519,162.342 ; 73.451,124.242 73.451,162.342 ; 86.3,124.242 86.3,162.342 ; 104.938,124.242 104.938,162.342 ; 143.027,124.242 143.027,162.342 ; 158.009,124.242 158.009,162.342 ; 176.952,124.242 176.952,162.342 ; 207.17,124.242 207.17,162.342 ; 228.855,124.242 228.855,162.342 ; 262.729,124.242 262.729,162.342 ; 296.602,124.242 296.602,162.342 ; 324.28,124.242 324.28,162.342 ; 16.291,124.242 359.906,124.242 359.906,162.342 16.291,162.342 16.291,124.242
  text "Symbol" at 18.577,159.675 h1.83
  text "Count" at 31.426,159.675 h1.83
  text "Hole Size" at 46.662,159.675 h1.83
  text "Plated" at 74.594,159.675 h1.83
  text "Hole Type" at 87.443,159.675 h1.83
  text "Drill Layer Pair" at 106.081,159.675 h1.83
  text "Via/Pad" at 144.17,159.675 h1.83
  text "Pad Shape" at 159.152,159.675 h1.83
  text "Template" at 178.095,159.675 h1.83
  text "Description" at 208.313,159.675 h1.83
  text "Hole Tolerance (+)" at 229.998,159.675 h1.83
  text "Hole Tolerance (-)" at 263.872,159.675 h1.83
  text "Hole Length" at 297.745,159.675 h1.83
  text "Routed Path Length" at 325.423,159.675 h1.83
  text "2" at 31.426,155.865 h1.52
  text "0.400mm (15.75mil)" at 46.662,155.865 h1.52
  text "PTH" at 74.594,155.865 h1.52
  text "Slot" at 87.443,155.865 h1.52
  text "Top Layer - Bottom Layer" at 106.081,155.865 h1.52
  text "Pad" at 144.17,155.865 h1.52
  text "Rounded" at 159.152,155.865 h1.52
  text "r170_100h40_100r100" at 178.095,155.865 h1.52
  text "1.000mm (39.37mil)" at 297.745,155.865 h1.52
  text "0.600mm (23.62mil)" at 325.423,155.865 h1.52
  text "2" at 31.426,152.055 h1.52
  text "0.600mm (23.62mil)" at 46.662,152.055 h1.52
  text "NPTH" at 74.594,152.055 h1.52
  text "Round" at 87.443,152.055 h1.52
  text "Top Layer - Bottom Layer" at 106.081,152.055 h1.52
  text "Pad" at 144.17,152.055 h1.52
  text "Rounded" at 159.152,152.055 h1.52
  text "c0hn60" at 178.095,152.055 h1.52
  text "-" at 297.745,152.055 h1.52
  text "-" at 325.423,152.055 h1.52
  text "2" at 31.426,148.245 h1.52
  text "1.000mm (39.37mil)" at 46.662,148.245 h1.52
  text "PTH" at 74.594,148.245 h1.52
  text "Round" at 87.443,148.245 h1.52
  text "Top Layer - Bottom Layer" at 106.081,148.245 h1.52
  text "Pad" at 144.17,148.245 h1.52
  text "Rounded" at 159.152,148.245 h1.52
  text "c175h100" at 178.095,148.245 h1.52
  text "-" at 297.745,148.245 h1.52
  text "-" at 325.423,148.245 h1.52
  text "2" at 31.426,144.435 h1.52
  text "1.100mm (43.31mil)" at 46.662,144.435 h1.52
  text "PTH" at 74.594,144.435 h1.52
  text "Round" at 87.443,144.435 h1.52
  text "Top Layer - Bottom Layer" at 106.081,144.435 h1.52
  text "Pad" at 144.17,144.435 h1.52
  text "Rounded" at 159.152,144.435 h1.52
  text "r220_300h110r100" at 178.095,144.435 h1.52
  text "-" at 297.745,144.435 h1.52
  text "-" at 325.423,144.435 h1.52
  text "2" at 31.426,140.625 h1.52
  text "1.700mm (66.93mil)" at 46.662,140.625 h1.52
  text "PTH" at 74.594,140.625 h1.52
  text "Round" at 87.443,140.625 h1.52
  text "Top Layer - Bottom Layer" at 106.081,140.625 h1.52
  text "Pad" at 144.17,140.625 h1.52
  text "(Mixed)" at 159.152,140.625 h1.52
  text "(Mixed)" at 178.095,140.625 h1.52
  text "-" at 297.745,140.625 h1.52
  text "-" at 325.423,140.625 h1.52
  text "5" at 31.426,136.815 h1.52
  text "0.400mm (15.75mil)" at 46.662,136.815 h1.52
  text "PTH" at 74.594,136.815 h1.52
  text "Round" at 87.443,136.815 h1.52
  text "Top Layer - Bottom Layer" at 106.081,136.815 h1.52
  text "Pad" at 144.17,136.815 h1.52
  text "Rounded" at 159.152,136.815 h1.52
  text "c90h40" at 178.095,136.815 h1.52
  text "-" at 297.745,136.815 h1.52
  text "-" at 325.423,136.815 h1.52
  text "12" at 31.426,133.005 h1.52
  text "0.900mm (35.43mil)" at 46.662,133.005 h1.52
  text "PTH" at 74.594,133.005 h1.52
  text "Round" at 87.443,133.005 h1.52
  text "Top Layer - Bottom Layer" at 106.081,133.005 h1.52
  text "Pad" at 144.17,133.005 h1.52
  text "(Mixed)" at 159.152,133.005 h1.52
  text "(Mixed)" at 178.095,133.005 h1.52
  text "-" at 297.745,133.005 h1.52
  text "-" at 325.423,133.005 h1.52
  text "182" at 31.426,129.195 h1.52
  text "0.300mm (11.81mil)" at 46.662,129.195 h1.52
  text "PTH" at 74.594,129.195 h1.52
  text "Round" at 87.443,129.195 h1.52
  text "Top Layer - Bottom Layer" at 106.081,129.195 h1.52
  text "Via" at 144.17,129.195 h1.52
  text "Rounded" at 159.152,129.195 h1.52
  text "v60h30m0mx0" at 178.095,129.195 h1.52
  text "-" at 297.745,129.195 h1.52
  text "-" at 325.423,129.195 h1.52
  text "209 Total" at 31.426,125.385 h1.52
  text "Slot definitions :" at 18.577,121.703 h1.52
  text "Routed Path Length" at 44.807,121.703 h1.52
  text "= Calculated from tool start centre position to tool end centre position." at 72.815,121.703 h1.52
  text "Hole Length" at 44.807,119.163 h1.52
  text "= Routed Path Length + Tool Size = Slot length as defined in the PCB layout" at 62.404,119.163 h1.52

## Text inside footprints (layer, text, board x,y; h text height)
U5: Mechanical 13 "*" at 85.984,65.199 h1.27 r30
USB1: Top Overlay "+" at 57.595,106.359 h1.02 r90